# Altium PCB RFM_Temperature_1.0.1.PcbDoc
Units mm, origin at the board's own origin, x right, y up, seen from the top; angles counter-clockwise.
Board outline 21 x 77.8 mm, 2 copper layers (L1, L4), stack 1.472 mm thick; 24 components, 18 nets, 100 pads, 23 vias.
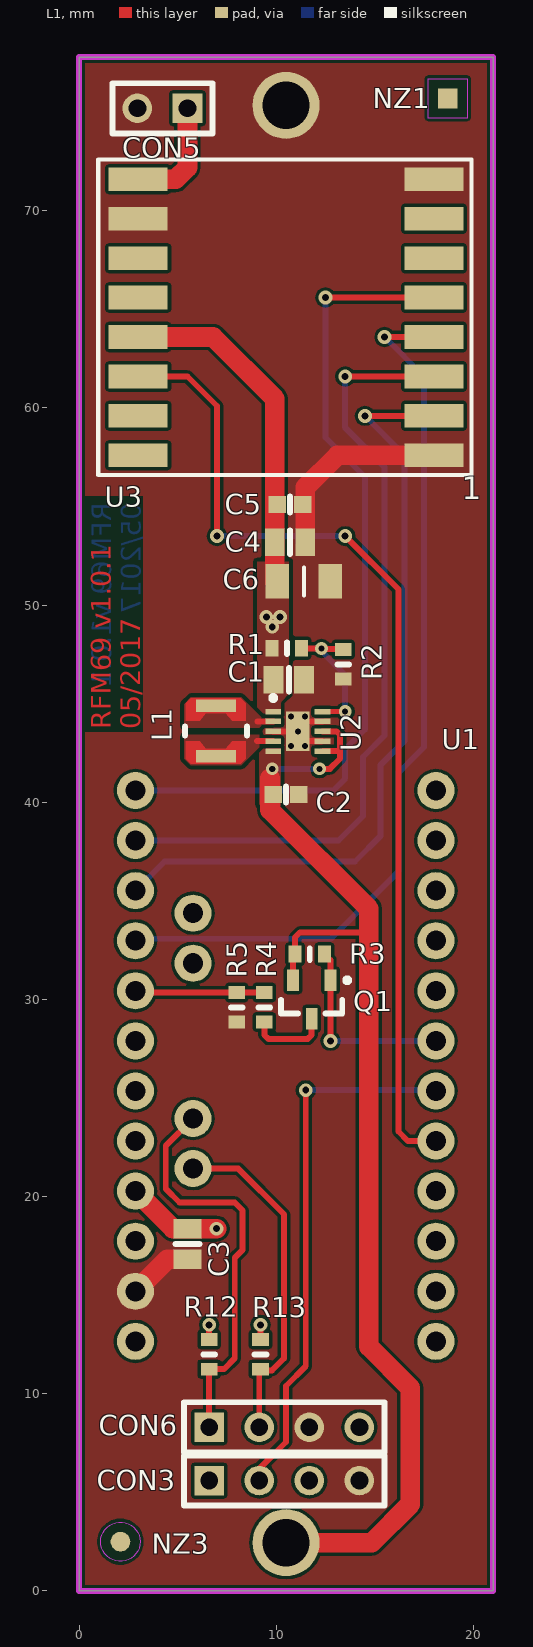
[diagram p0: L1 view]
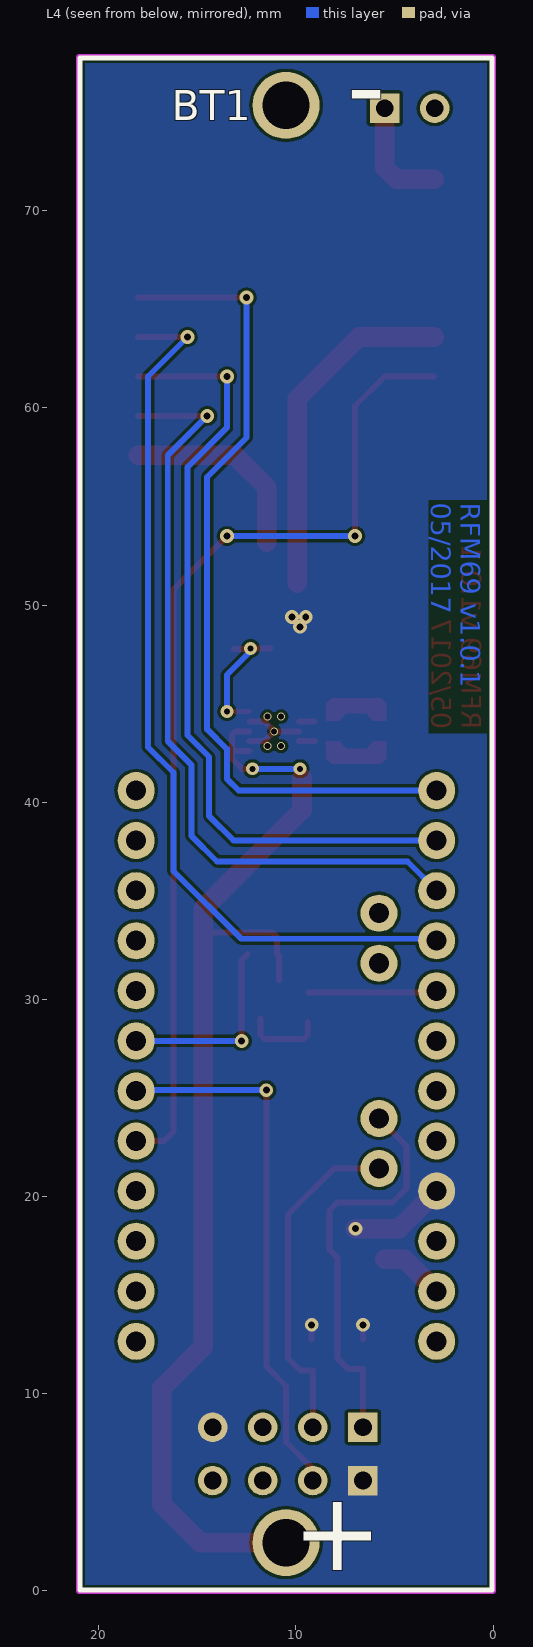
[diagram p1: L4 view, seen from below]
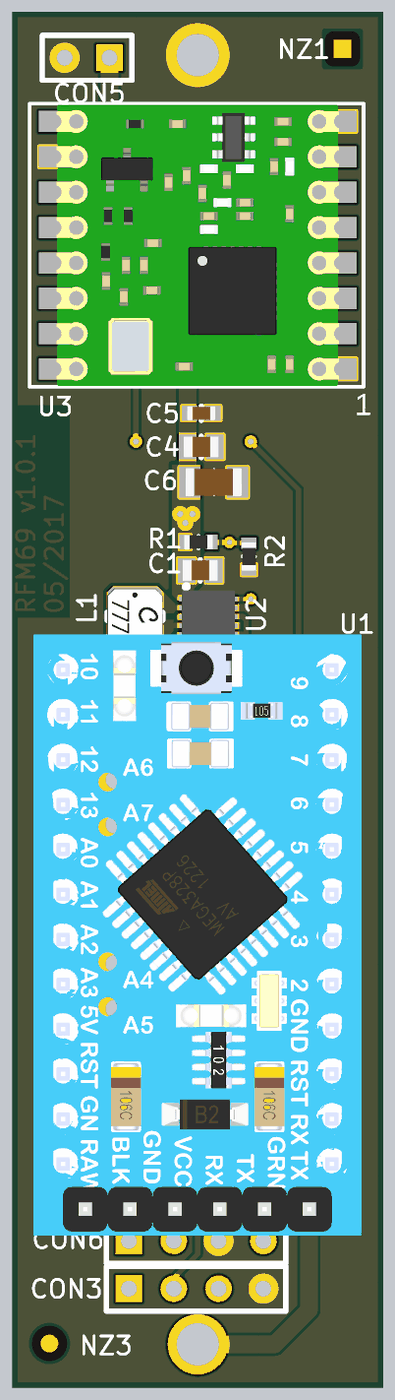
[diagram p2: 3D render of the assembled board from above, using the file's embedded part models]

## Layer stack, top to bottom
Top Solder: solder mask 0.02, Solder Resist, Dk 3.5
L1: signal copper 0.036
Dielectric 1: core 1.4, IS400, Dk 4.2
L4: signal copper 0.036
Bottom Solder: solder mask 0.02, Solder Resist, Dk 3.5

## Board outline
0,0 0,77.8 21,77.8 21,0

## Design rules (kind name [scope] priority, off if disabled: settings)
AssemblyTestPointUsage SilkToBoardRegionClearance_1 [All] p2:
AssemblyTestPointUsage SilkToBoardRegionClearance_2 [All] p3:
Clearance [All] p1: gap=0.152 ignorepadtopadclearanceinfootprint=FALSE except(0: Arc-Hole Track-Hole SMDPad-Hole THPad-Hole Via-Hole Fill-Hole Poly-Hole Region-Hole Text-Hole; 0.2: Poly-Poly)
ComponentClearance ComponentClearance_Battery [All vs InComponent('BT1')] p1: gap=0 collisioncheckmode=3 verticalgap=0 showdistances=FALSE
ComponentClearance [All] p2: gap=0.254 collisioncheckmode=3 verticalgap=0.254 showdistances=FALSE
HoleSize [All] p1: absolutevalues=TRUE maxlimit=6.35 minlimit=0.3 maxpercent=80.000 minpercent=20.000
MatchedLengths DiffPair_DIFF100MatchedLengths [InDifferentialPairClass('DIFF100')] p1: tolerance=0.152 checknetsindiffpair=TRUE checkdiffpairvsdiffpair=FALSE checkxsignals=FALSE checkothers=FALSE
MinimumSolderMaskSliver [All] p1: minsoldermaskwidth=0.1
MinimumSolderMaskSliver SilkscreenOverComponentPads_2 [All] p2: minsoldermaskwidth=0.254
MinimumSolderMaskSliver SilkToSolderMaskClearance_1 [IsPad] p3: minsoldermaskwidth=0.254
MinimumSolderMaskSliver SilkscreenOverComponentPads_1 [All] p4: minsoldermaskwidth=0.254
MinimumSolderMaskSliver SilkToSolderMaskClearance [IsPad] p5: minsoldermaskwidth=0.254
MinimumSolderMaskSliver SilkscreenOverComponentPads [All] p6: minsoldermaskwidth=0.254
PolygonConnect [All] p1: connectstyle=Direct reliefconductorwidth=0.254 reliefentries=4 polygonreliefangle="90 Angle" airgapwidth=0.254
RoutingVias [All] p1: holewidth=0.305 width=0.635 viastyle="Through Hole" minholewidth=0.305 minwidth=0.635 maxholewidth=0.711 maxwidth=1.27
SilkToSolderMaskClearance SilkToSolderMaskClearance_2 [IsPad] p1: minsilkscreentomaskgap=0.254 clearancetoexposedcopper=TRUE
SolderMaskExpansion [All] p1: expansion=0.102
Width [All] p1: maxlimit=2.54 minlimit=0.152 preferedwidth=0.254
26 further rules are at their usual default settings.

## Classes and differential pairs
net class "Power Net": NetL1_1 NetL1_2 VCC_3V3 VCC_BAT
differential pair class DIFF90: PCIE_CRX PCIE_CTX PCIE_RX PCIE_TX USB_HOST_D USB_OTG_D
differential pair class DIFF100: CH1_TRX0 CH1_TRX1 CH1_TRX2 CH1_TRX3 CH2_TRX0 CH2_TRX1 CH2_TRX2 CH2_TRX3 CLK1 DRAM_SDCKL0 DRAM_SDCKL1 DRAM_SDQS0 DRAM_SDQS1 DRAM_SDQS2 DRAM_SDQS3 DRAM_SDQS4 DRAM_SDQS5 DRAM_SDQS6 DRAM_SDQS7 HDMI_CLK HDMI_D0 HDMI_D1 HDMI_D2 HDMI_OUT_CLK HDMI_OUT_D0 HDMI_OUT_D1 HDMI_OUT_D2 PCIE_REFCLK

## Components (designator, comment, footprint, x,y, rotation, side; value= is the part's Value field where it differs from the comment)
BT1 "BH-18650" BH18650 10.5,38.9 r90 bottom locked
C1 "10u/10V" C-0805 10.64,46.216 r180 top
C2 "2.2uF/16V/X5R" C-0603 10.5,40.4 r180 top
C3 "10u/10V" C-0805 5.5,17.6 r90 top
C4 "10u/10V" C-0805 10.7,53.2 r180 top
C5 "100nF/16V" C-0603 10.7,55.1 r180 top
C6 "100u/10V X5R" C-1206 11.4,51.2 r180 top
CON3 "PAD1G04" HDR1X04S 6.6,5.6 r0 top
CON5 "PAD1G02" HDR1X02S 5.5,75.2 r180 top
CON6 "PAD1G04" HDR1X04S 6.6,8.3 r0 top
L1 "LPS3015-152MRC" LPS3015 6.94,43.616 r270 top
NZ1 "Fiducial Rectangle" "Fiducial Rectangle" 18.7,75.7 r0 top
NZ3 "Fiducial Circle" "Fiducial Circle" 2.1,2.5 r90 top
Q1 "FDV304P" SOT23-3L 11.8,30 r270 top
R1 "887k 1%" R-0603 10.54,47.816 r180 top value=887k
R2 "100k 1%" R-0603 13.4,47 r90 top value=100k
R3 "100k 1%" R-0603 11.7,32.3 r180 top value=100k
R4 "887k 1%" R-0603 9.4,29.6 r270 top value=887k
R5 "100k 1%" R-0603 8,29.6 r90 top value=100k
R12 "2.2k" R-0603 6.6,12 r90 top
R13 "2.2k" R-0603 9.2,12 r90 top
U1 "Arduino-Pro-Mini" "Arduino Mini Pro" 18.1,40.6 r180 top locked
U2 "TPS63030DSK" DSK10-2000X1200TP_V 11.1,43.6 r0 top
U3 "RFM69HCW" RFM69HCW-XXXS2 10.5,64.6 r180 top locked

## Footprints (in the part's own frame and the unit in brackets; to place one, negate y for a bottom-side part, rotate by r counter-clockwise, add the part's x,y. Pads: shape width x height; smd on the part's side, far side on the other; paste and mask are expansions set on the pad)
"Arduino Mini Pro" [mil]
  round 74 hole 40: 1(0,0) 2(0,100) 3(0,200) 4(0,300) 5(0,400) 6(0,500) 7(0,600) 8(0,700) 9(0,800) 10(0,900) 11(0,1000) 12(0,1100) 19(600,1100) 20(600,1000) 21(600,900) 22(600,800) 23(600,700) 24(600,600) 25(600,500) 26(600,400) 27(600,300) 28(600,200) 29(600,100) 30(600,0) 31(485,755) 32(485,655) 33(485,345) 34(485,245)
  body extent -66,-79 666,1260, height 488
BH18650 [mm]
  round 3.4 hole 2.4 paste-2: 1(-36.45,0) 2(36.45,0)
  silkscreen extent -38.85,-10.45 38.85,10.45
C-0603 [mm]
  rect 0.9x0.85 smd: 1(-0.65,0) 2(0.65,0)
  silkscreen extent 0,-0.4 0,0.4, body extent -0.8,-0.4 0.8,0.4, height 0.8
C-0805 [mm]
  rect 1x1.4 smd: 1(-0.775,0) 2(0.775,0)
  silkscreen extent 0,-0.6 0,0.6, body extent -1,-0.6 1,0.6, height 1.2
C-1206 [mm]
  rect 1.2x1.75 smd: 1(-1.35,0) 2(1.35,0)
  silkscreen extent 0,-0.7 0,0.7, body extent -1.6,-0.8 1.6,0.8, height 1.6
DSK10-2000X1200TP_V [mm] "SON, 10-Leads, Body 2.5x2.5mm, Pitch 0.5mm, Thermal Pad 2x1.2 mm"
  rect 0.8x0.28 smd: 1(-1.25,1) 2(-1.25,0.5) 3(-1.25,0) 4(-1.25,-0.5) 5(-1.25,-1) 6(1.25,-1) 7(1.25,-0.5) 8(1.25,0) 9(1.25,0.5) 10(1.25,1)
  rect 1.2x2 smd paste-2: 11(0,0)
  silkscreen extent -1.38,1.57 -1.12,1.82, body extent -1.5,-1.5 1.5,1.5, height 0.9
"Fiducial Circle" [mm]
  round 1 smd paste-0.75 mask+0.5: 0(0,0)
  L1 keep-out region: 0,1 0.434,0.901 0.782,0.623 0.975,0.223 0.975,-0.223 0.782,-0.623 0.434,-0.901 0,-1 0,-1 -0.434,-0.901 -0.782,-0.623 -0.975,-0.223 -0.975,0.223 -0.782,0.623 -0.434,0.901 0,1
"Fiducial Rectangle" [mm]
  rect 1x1 smd paste-0.75 mask+0.5: 0(0,0)
  L1 keep-out region: -1,1 1,1 1,-1 -1,-1
HDR1X02S [mm] "Connector; Header; 2 Position"
  rect 1.5x1.5 hole 0.9: 1(0,0)
  round 1.5 hole 0.9: 2(2.54,0)
  silkscreen extent -1.27,-1.27 3.81,1.27
HDR1X04S [mm] "Connector; Header; 4 Position"
  rect 1.5x1.5 hole 0.9: 1(0,0)
  round 1.5 hole 0.9: 2(2.54,0) 3(5.08,0) 4(7.62,0)
  silkscreen extent -1.27,-1.27 8.89,1.27
LPS3015 [mil]
  rect 25x80 smd: 1(-50,0) 2(50,0)
  L1 region: 65,-50 55,-60 20,-60 20,-32.5 35,-20 35,20 20,32.5 20,60 55,60 65,50
  L1 region: -65,-50 -55,-60 -20,-60 -20,-32.5 -35,-20 -35,20 -20,32.5 -20,60 -55,60 -65,50
  silkscreen extent -9,-62 9,62, body extent -62,-62 62,62, height 59
R-0603 [mm]
  rect 0.65x0.85 smd: 1(-0.75,0) 2(0.75,0)
  silkscreen extent 0,-0.3 0,0.3, body extent -0.8,-0.4 0.8,0.4, height 0.4
RFM69HCW-XXXS2 [mm] "RFM69HCW-XXXS2"
  rect 3x1.2 smd: 1(-7.5,7) 2(-7.5,5) 3(-7.5,3) 4(-7.5,1) 5(-7.5,-1) 6(-7.5,-3) 7(-7.5,-5) 8(-7.5,-7) 9(7.5,-7) 10(7.5,-5) 11(7.5,-3) 12(7.5,-1) 13(7.5,1) 14(7.5,3) 15(7.5,5) 16(7.5,7)
  silkscreen extent -9.4,-8 9.53,8, body extent -8,-7.95 8,7.95, height 2.29
SOT23-3L [mm] "SOT23, 3-Leads, Body 2,90x2,48mm, Pitch 0,95mm, IPC High Density"
  rect 1.1x0.6 smd: 1(-0.975,0.95) 2(-0.975,-0.95) 3(0.975,0)
  silkscreen extent -1.1,-1.55 0.71,1.93, body extent -1.17,-1.46 1.17,1.46, height 1

## Part data
C1 C3 C4: library part CMP-00295-1, "SMD Ceramic Capacitor 0805 10u/10V", Package=0805, Helios ID="C-0805 10u/10V", Type=SMT
C2: library part CMP-00265-1, "SMD Ceramic Capacitor 0603 2.2uF/16V/X5R", Package=0603, Helios ID="C-0603 2.2uF/16V/X5R", Type=SMT
C5: library part CMP-00250-1, "SMD Ceramic Capacitor 0603 100nF/16V", Package=0603, Helios ID="C-0603 100nF/16V", Type=SMT
C6: library part CMP-00294-4, "SMD Ceramic Capacitor 1206 100u/10V X5R", Package=1206, Helios ID="C-1206 100u/10V X5R", Type=SMT
CON3 CON6: library part CMP-00006-3, "1x4pin single row pads, 2.54mm", Helios ID=KON-PAD1G04, Type=TH
CON5: library part CMP-00005-1, "1x2pin single row pads, 2.54mm", Helios ID=KON-PAD1G02, LatestRevisionDate=17-Jul-2002, LatestRevisionNote="Re-released for DXP Platform.", Publisher="Altium Limited", Type=TH
L1: library part CMP-00325-2, "Shielded inductor 1.5uH/1.3A 3x3mm", Helios ID=TLU-LPS3015-152MRC, HelpURL=\\DCCZPRAH01\Shared\R&D\Documents\Coilcraft\lps3015.pdf, Type=SMT
NZ1: library part CMP-00041-2, Helios ID=x004, Type=MECH
NZ3: library part CMP-00042-3, Helios ID=x005, Type=MECH
Q1: library part CMP-00186-2, "P-Channel Digital FET 25V, 460mA", Package=SOT23, Helios ID=TRA-FDV304P, HelpURL=http://www.fairchildsemi.com/ds/FD/FDV304P.pdf, Type=SMT
R1 R4: library part CMP-00324-1, "SMD Resistor 0603 887k 1%", Package=0603, Helios ID="R-0603 887k 1%", Type=SMT
R2 R3 R5: library part CMP-00033-2, "SMD Resistor 0603 100k 1%", Package=0603, Helios ID="R-0603 100k 1%", Type=SMT
R12 R13: library part CMP-00080-2, "SMD Resistor 0603 2k2", Package=0603, Helios ID="R-0603 2k2", Type=SMT
U2: library part CMP-00323-3, "High Efficient Single Inductor Buck-Boost Converter with 1-A Switches", Package=PWSON10, Helios ID=IO-TPS63030DSKR, HelpURL="\\dcczprah01\Shared\R&D\Documents\Texas Instruments\tps63030.pdf", Type=SMT

## Via types
v1: diameter 0.7, hole 0.35, L1 to L4, 14 vias
v2: diameter 0.4, hole 0.305, L1 to L4, 5 vias
v3: diameter 0.65, hole 0.305, L1 to L4, 4 vias

## Nets (pads, with @x,y where several pads share a name; then routed paths per layer and width w, separated by ;. In a path a pad name is that pad's centre, name@x,y a point inside that pad or via, vN(x,y) a via of type N, cw(c..) or ccw(c..) an arc to the next point about the centre after c; other vN are vias at no path point)
ADC: R4.1 R5.2 U1.26 | length 6.6
  L1 w0.3: U1.26 2.95,30.35 R5.2 R4.1
GND: BT1.2 C1.1 C2.1 C3.1 C4.1 C5.1 C6.1 CON3.4 CON5.2 CON6.3 R2.1 R5.1 U1.20 U2.3 U2.7 U2.9 U2.11 U3.1 U3.8 U3.10 | length 17.5
  L1 w0.3: U2.3 v2(11.1,43.6) ; U2.7 11.6,43.1 v2(11.1,43.6) ; U2.9 11.6,44.1 v2(11.1,43.6)
  L1 w1: U1.20 4.485,16.825 C3.1 ; C4.1 11.475,55.975 13.1,57.6 U3.1
  other v2: 10.75,42.85 11.45,42.85 10.75,44.35 11.45,44.35
MEAS_EN: Q1.1 R3.1 U1.6 | length 9.9
  L1 w0.3: R3.1 12.75,32 Q1.1 v1(12.75,27.9)
  L4 w0.3: v1(12.75,27.9) U1.6
NetCON5_1: CON5.1 U3.9 | length 5.7
  L1 w1: U3.9 4.9,71.6 5.5,72.2 CON5.1
NetL1_1: L1.1 U2.2 | length 0.8
  L1 w0.3: 9.057,44.1 U2.2
NetL1_2: L1.2 U2.4 | length 0.8
  L1 w0.3: 9.024,43.1 U2.4
NetQ1_3: Q1.3 R4.2 | length 4
  L1 w0.3: R4.2 9.4,28.2 9.6,28 11.6,28 11.8,28.2 Q1.3
NetR1_1: R1.1 R2.2 U2.10 | length 6.9
  L1 w0.25: U2.10 v3(13.5,44.6)
  L1 w0.3: R1.1 11.307,47.8 v3(12.3,47.8) 12.224,47.8 12.19,47.766 R2.2@13.14,47.766
  L4 w0.3: v3(12.3,47.8) 12.3,47.657 13.5,46.457 v3(13.5,44.6)
RFM_INT: U1.8 U3.14 | length 51.1
  L1 w0.3: U3.14 5.5,61.6 7,60.1 v1(7,53.5) ; v1(13.5,53.5) 16.2,50.8 16.2,23.3 16.68,22.82 U1.8
  L4 w0.3: v1(7,53.5) v1(13.5,53.5)
RFM_MISO: U1.28 U3.2 | length 39.7
  L1 w0.3: v1(14.5,59.6) U3.2
  L4 w0.3: U1.28 4.34,37 14,37 15.3,38.3 15.3,41.9 16.5,43.1 16.5,57.6 v1(14.5,59.6)
RFM_MOSI: U1.29 U3.3 | length 40.1
  L1 w0.3: v1(13.5,61.6) U3.3
  L4 w0.3: U1.29 13.16,38.06 14.4,39.3 14.4,42.3 15.5,43.4 15.5,57 13.5,59 v1(13.5,61.6)
RFM_MSCL: U1.27 U3.4 | length 45.8
  L1 w0.3: v1(15.5,63.6) U3.4
  L4 w0.3: U1.27 2.86,33.079 12.779,33.079 16.208,36.508 16.208,41.508 17.5,42.8 17.5,61.6 v1(15.5,63.6)
RFM_NSS: U1.30 U3.5 | length 42
  L1 w0.3: v1(12.5,65.6) U3.5
  L4 w0.3: U1.30 12.9,40.6 13.5,41.2 13.5,42.7 14.5,43.7 14.5,56.5 12.5,58.5 v1(12.5,65.6)
SCL: CON6.2 R13.1 U1.31 | length 17.3
  L1 w0.3: U1.31 8.077,21.423 10.4,19.1 10.4,11.8 9.79,11.19 9.14,11.19 CON6.2
SDA: CON6.1 R12.1 U1.32 | length 20.6
  L1 w0.3: U1.32 4.4,22.582 4.4,20.4 5.1,19.7 7.9,19.7 8.3,19.3 8.3,17.3 7.9,16.9 7.9,11.8 7.35,11.25 R12.1 CON6.1
TEMP_HUM: CON3.2 U1.7 | length 26.8
  L1 w0.3: CON3.2@9.14,6.2 10.5,7.56 10.5,10.4 11.5,11.4 v1(11.5,25.4)
  L4 w0.3: v1(11.5,25.4) 18.06,25.4 U1.7
VCC_3V3: C1.2 C3.2 C4.2 C5.2 C6.2 CON3.1 CON6.4 R1.2 R12.2 R13.2 U1.22 U2.1 U3.13 | length 24
  L1 w0.3: R12.2 v1(6.6,13.5) ; R13.2 v1(9.2,13.5)
  L1 w1: U1.22 4.765,18.375 C3.2 v1(6.975,18.375) ; U3.13 6.8,63.6 9.925,60.475 C4.2 C6.2@9.925,51.125
  other v1: 9.8,48.9 9.5,49.4 10.2,49.4
VCC_BAT: BT1.1 C2.2 Q1.2 R3.2 U2.5 U2.6 U2.8 | length 59.7
  L1 w0.3: Q1.2 10.85,32.2 R3.2 10.95,33.15 11.2,33.4 14.7,33.4 ; v3(12.2,41.7) 12.724,41.7 13.24,42.216 13.24,42.616 ; U2.6 13.224,42.6 13.24,42.616 ; U2.8 13.057,43.6 13.24,43.416 13.24,42.616
  L1 w1: 9.69,41.216 9.69,39.61 14.7,34.6 14.7,33.4 14.7,12.4 16.8,10.3 16.8,4.4 14.85,2.45 BT1.1
  L4 w0.3: v3(9.8,41.7) v3(12.2,41.7)
pads on no net: CON3.3 NZ1.0 NZ3.0 U1.1 U1.2 U1.3 U1.4 U1.5 U1.9 U1.10 U1.11 U1.12 U1.19 U1.21 U1.23 U1.24 U1.25 U1.33 U1.34 U3.6 U3.7 U3.11 U3.12 U3.15 U3.16

## Polygon pours and split planes (outlines as drawn)
NetL1_1 on L1 "L01_NETL1_1_P022" (solid, pour order 22): 9.24,44.305 9.24,43.784 5.673,43.784 5.34,43.784 5.34,44.116 5.34,44.984 5.673,45.316 8.229,45.316
VCC_BAT on L1 "L01_VCC_BAT_P024" (solid, pour order 24): 10.24,42.716 10.24,39.8 9.14,39.8 9.14,42.516 9.34,42.716
NetL1_2 on L1 "L01_NETL1_2_P020" (solid, pour order 20): 9.24,42.895 9.24,43.416 5.673,43.416 5.34,43.416 5.34,43.084 5.34,42.216 5.673,41.884 8.229,41.884
VCC_3V3 on L1 "L01_VCC_3V3_P016" (solid, pour order 16): 10.24,44.516 10.24,45.016 10.54,45.316 10.64,45.416 10.64,46.316 10.64,52.2 9.04,52.2 9.04,44.816 9.34,44.516
GND on L1 "L01_GND_P014" (solid, pour order 14): 11.74,40.416 11.64,40.316 10.54,40.316 10.44,40.416 10.44,44.616 10.44,45.016 10.84,45.416 10.84,47.016 11.04,47.216 14.04,47.216 14.24,47.016 14.24,45.716 14.14,45.616 12.64,45.616 12.54,45.616 11.74,44.816
GND on L1 "L01_GND_P026" (solid, pour order 26): 0,0 21,0 21,77.8 0,77.8
VCC_3V3 on L4 "L02_VCC_3V3_P028" (solid, pour order 28): 0,0 21,0 21,77.8 0,77.8

## Keep-outs
Keep-Out Layer:
  the board outline again, w0.3

## Other copper
L1:
  text "RFM69 v1.0.1 / 05/2017" at 3.1,43.7 h1 r90
L4:
  text "RFM69 v1.0.1 / 05/2017" at 3.14,55.2 h1 r90

## Text inside footprints (layer, text, board x,y; h text height)
BT1: Bottom Overlay "+" at 5.6,4.5 h4 r180; Bottom Overlay "-" at 5.45,77.4 h4 r180; Mechanical 14 "-" at 5.45,77.4 h4 r180; Mechanical 14 "+" at 5.6,4.5 h4 r180
U3: Mechanical 13 "1" at 15.985,58.25 h1.97 r180; Top Overlay "1" at 19.4,55 h1.97